# Altium PCB guitar(350 壳).PcbDoc
Units mm, origin at the board's own origin, x right, y up, seen from the top; angles counter-clockwise.
Board outline 316.26 x 68.36 mm, 2 copper layers (Top Layer, Bottom Layer); 50 components, 76 nets, 189 pads, 43 vias.
Unrouted connection lines stored in the file: 31.
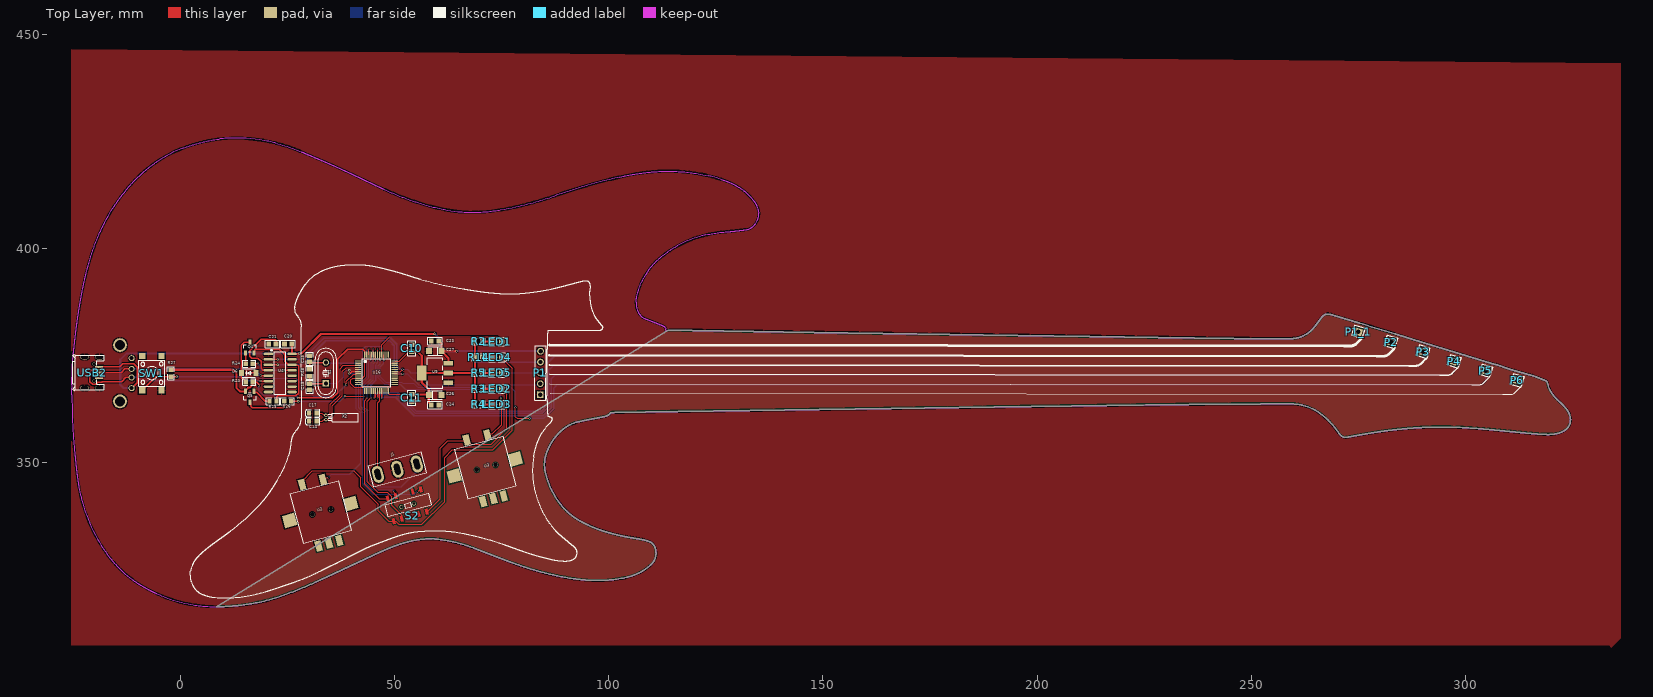
[diagram p0: Top Layer view]
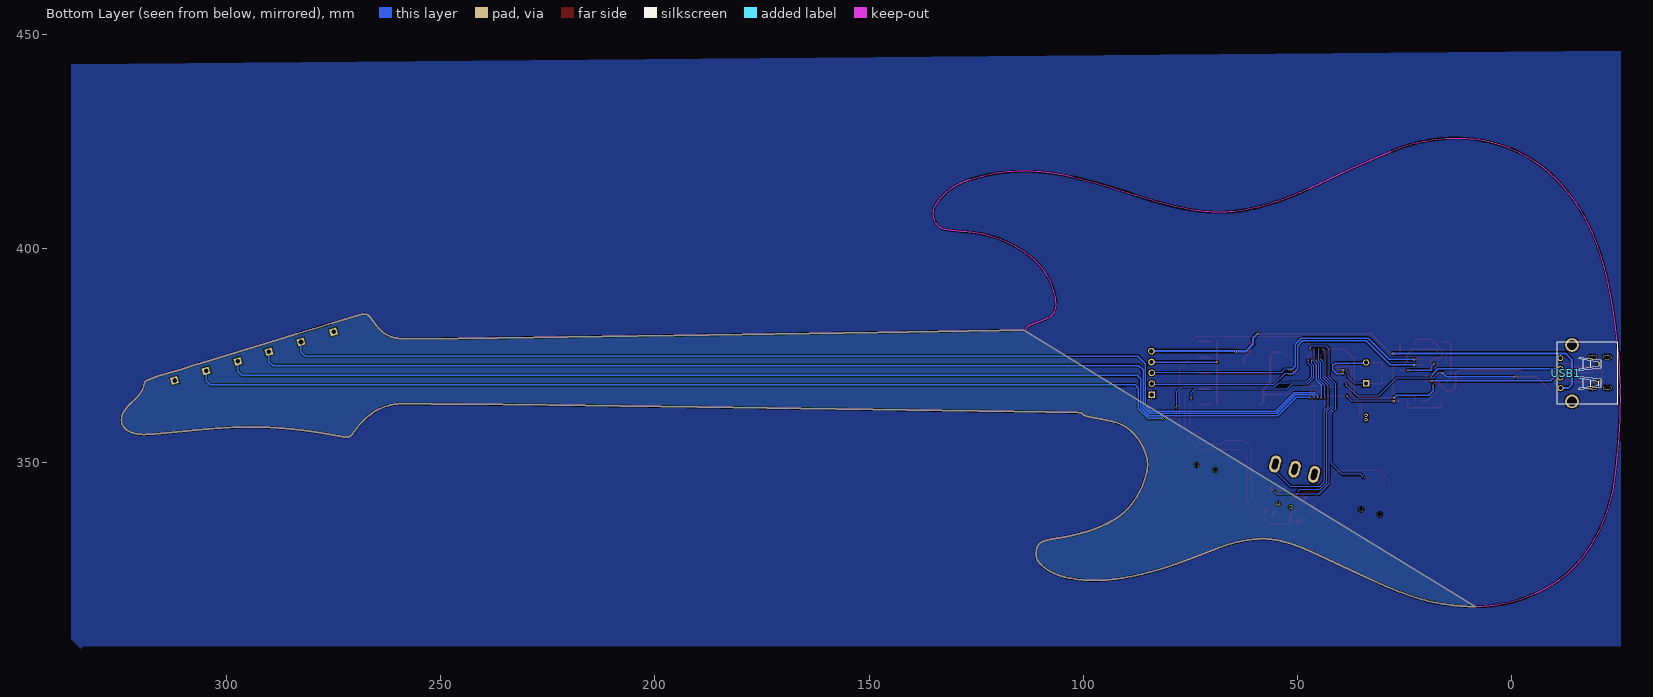
[diagram p1: Bottom Layer view, seen from below]

## Layer stack, top to bottom
Top Solder: solder mask 0.0102, Solder Resist, Dk 3.5
Top Layer: signal copper 0.0356
Dielectric 1: dielectric 0.32, FR-4, Dk 4.8
Bottom Layer: signal copper 0.0356
Bottom Solder: solder mask 0.0102, Solder Resist, Dk 3.5

## Board outline
20000 vertices, not listed, extent 8.343,316.374 324.6,384.732

## Design rules (kind name [scope] priority, off if disabled: settings)
Clearance [All] p1: gap=0.254 ignorepadtopadclearanceinfootprint=FALSE except(0: Arc-Hole Track-Hole SMDPad-Hole THPad-Hole Via-Hole Fill-Hole Poly-Hole Region-Hole Text-Hole)
PolygonConnect [All] p1: connectstyle=Relief reliefconductorwidth=0.254 reliefentries=4 polygonreliefangle="90 Angle" airgapwidth=0.254
RoutingVias [All] p1: holewidth=0.711 width=1.27 viastyle="Through Hole" minholewidth=0.711 minwidth=1.27 maxholewidth=0.711 maxwidth=1.27
SolderMaskExpansion [All] p1: expansion=0.102
Width [All] p1: maxlimit=0.5 minlimit=0.254 preferedwidth=0.3 minimp=50.000000 maximp=50.000000 favimp=50.000000
30 further rules are at their usual default settings.

## Components (designator, comment, footprint, x,y, rotation, side; value= is the part's Value field where it differs from the comment)
C10 "100nF" C0603#1 53.975,377.584 r270 top
C11 "100nF" C0603#1 53.975,364.319 r90 top
C14 "10pF" C0603#2 30.861,359.676 r0 top
C17 "10pF" C0603#2 30.861,361.569 r0 top
C18 "22pF" 0603 30.099,367.727 r90 top
C20 "100nF" C0603#1 25.956,377.698 r180 top
C21 "10nF" C0603#1 22.273,377.698 r180 top
C23 "100nF" C0603#1 58.547,378.46 r0 top
C24 "100nF" C0603#1 60.247,363.474 r180 top
C25 "22pF" 0603 30.099,374.269 r270 top
C26 "10uF" CAP-SMD_L3.2-W1.6-R-RD 59.436,365.856 r180 top
C27 "10uF" CAP-SMD_L3.2-W1.6-R-RD 59.436,376.047 r0 top
D6 "1N4148W T4" SOD-123_L2.8-W1.8-LS3.7-RD 15.875,370.994 r0 top
J1 "MTS-102/3" MTS-102/MTS-103/MTS-123 50.594,348.488 r15 top
LED1 "17-21/GHC-XS1T2M/3T" LED0805-R-RD 73.885,378.305 r180 top
LED2 "17-21/GHC-XS1T2M/3T" LED0805-R-RD 73.885,367.256 r180 top
LED3 "17-21/GHC-XS1T2M/3T" LED0805-R-RD 73.885,363.601 r180 top
LED4 "17-21/GHC-XS1T2M/3T" LED0805-R-RD 73.885,374.607 r180 top
LED5 "17-21/GHC-XS1T2M/3T" LED0805-R-RD 73.885,370.981 r180 top
P1 "2.54mm 1*5P Header" HDR-TH_5P-P2.54-V 84.006,370.981 r89.5 top
P1_1 "Header-Male-2.54_1x1" HDR-TH_1P-P2.54-V-M 275.049,380.573 r343 top (schematic designator P1)
P2 "Header-Male-2.54_1x1" HDR-TH_1P-P2.54-V-M 282.689,378.182 r343 top
P3 "Header-Male-2.54_1x1" HDR-TH_1P-P2.54-V-M 290.178,375.915 r343 top
P4 "Header-Male-2.54_1x1" HDR-TH_1P-P2.54-V-M 297.443,373.682 r343 top
P5 "Header-Male-2.54_1x1" HDR-TH_1P-P2.54-V-M 304.819,371.452 r343 top
P6 "Header-Male-2.54_1x1" HDR-TH_1P-P2.54-V-M 312.168,369.214 r343 top
Q4 "S8050" SOT-23-3_L2.9-W1.6-P1.90-LS2.8-BR 16.129,376.863 r270 top
Q5 "S8550" SOT-23-3_L2.9-W1.3-P1.90-LS2.4-BR 16.129,365.407 r90 top
R2 "1K" R0603 69.553,378.318 r180 top
R3 "1K" R0603 69.553,367.284 r180 top
R4 "1K" R0603 69.553,363.624 r180 top
R5 "1K" R0603 69.553,370.971 r180 top
R14 "1K" R0603 69.553,374.6 r180 top
R23 "10K" R0603 16.002,368.848 r0 top
R24 "1K" R0603 16.003,373.142 r180 top
R25 "1K" R0603 21.561,364.363 r180 top
R26 "1K" R0603 24.97,364.363 r180 top
R27 "10K" R0603 -2.286,370.906 r270 top
R48 "1M" R0603 30.099,371.005 r90 top
S2 "八脚拨动开关" MSS23D19 54.118,337.566 r105 top (schematic designator S1)
SW1 "PTS645SH43SMTR92LFS" KEY-SMD_4P-L6.0-W6.0-P4.50-LS9.0 -6.731,370.931 r90 top
U2 "EC11SMT" EC11SMT 32.669,338.455 r15 top
U3 "EC11SMT" EC11SMT 71.096,348.852 r15 top
U4 "CH340C" SOP-16_150MIL 23.241,370.967 r0 top
U9 "AMS1117-3.3" SOT-223-3_L6.5-W3.4-P2.30-LS7.0-BR 59.409,370.963 r0 top
U16 "STM32F103C8T6" LQFP-48_L7.0-W7.0-P0.50-LS9.0-BL 45.72,371.003 r270 top
USB1 "KH-AF90DIP-112" USB-A-TH_USB-A-F-90 -13.039,370.883 r90 bottom
USB2 "U-F-M5DD-Y-1" MICRO-USB-SMD_U-F-M5DD-Y-1 -20.701,371.065 r180 top
X1 "8MHz" HC-49US_L11.5-W4.5-P4.88 33.902,370.967 r90 top
X2 "32.768KHz" OSC-TH_BD2.0-P0.70-D0.3 33.909,360.568 r180 top

## Footprints (in the part's own frame and the unit in brackets; to place one, negate y for a bottom-side part, rotate by r counter-clockwise, add the part's x,y. Pads: shape width x height; smd on the part's side, far side on the other; paste and mask are expansions set on the pad)
0603 [mm]
  rect 1x1.1 smd: 1(-0.7,0) 2(0.7,0)
  silkscreen extent -1.5,-0.8 1.5,0.8
C0603#1 [mm]
  rect 1.1x1.199 smd: 1(0,0) 2(1.699,0)
  silkscreen extent -0.85,-0.9 2.55,0.9
C0603#2 [mm]
  rect 1x1.1 smd: 1(-0.9,0) 2(0.9,0)
  silkscreen extent -1.65,-0.8 1.65,0.8
CAP-SMD_L3.2-W1.6-R-RD [mm]
  rect 1.4x1.4 smd: 1(1.5,0) 2(-1.5,0)
  silkscreen extent -1.7,-1 1.7,1
EC11SMT [mm]
  rect 3x3 smd: 0(-7.493,0) 0_1(7.366,0.127)
  rect 1.5x2.5 smd: 1(-2.5,7.366) 2(2.5,7.239) 3(-2.5,-7.493) 4(0,-7.493) 5(2.5,-7.493)
  round 1 hole 1 unplated: _1(-2,0) ""(2.5,0)
  silkscreen extent -5.85,-6 5.85,6
HC-49US_L11.5-W4.5-P4.88 [mm]
  rect 1.5x1.5 hole 0.9: 1(-2.438,0)
  round 1.5 hole 0.9: 2(2.438,0)
  silkscreen extent -5.74,-2.5 5.74,2.5
HDR-TH_1P-P2.54-V-M [mm]
  rect 1.7x1.7 hole 1.1: 1(0,0)
  silkscreen extent -1.27,-1.27 1.27,1.27
HDR-TH_5P-P2.54-V [mil]
  rect 62x62 hole 40.16: 1(-200,0)
  round 62 hole 40.16: 2(-100,0) 3(0,0) 4(100,0) 5(200,0)
  silkscreen extent -250,-50 250,50
KEY-SMD_4P-L6.0-W6.0-P4.50-LS9.0 [mm]
  rect 1.5x1.5 smd: 1(-4,2.25) 2(4,2.25) 3(-4,-2.25) 4(4,-2.25)
  silkscreen extent -3.05,-3.05 2.98,3.05
LED0805-R-RD [mm]
  rect 1.3x1.4 smd: 1(1.05,0) 2(-1.05,0)
  silkscreen extent -2.22,-1.04 1.99,1.01
LQFP-48_L7.0-W7.0-P0.50-LS9.0-BL [mm]
  oval 0.3x1.5 smd: 1(-2.75,-4.25) 2(-2.25,-4.25) 3(-1.75,-4.25) 4(-1.25,-4.25) 5(-0.75,-4.25) 6(-0.25,-4.25) 7(0.25,-4.25) 8(0.75,-4.25) 9(1.25,-4.25) 10(1.75,-4.25) 11(2.25,-4.25) 12(2.75,-4.25) 25(2.75,4.25) 26(2.25,4.25) 27(1.75,4.25) 28(1.25,4.25) 29(0.75,4.25) 30(0.25,4.25) 31(-0.25,4.25) 32(-0.75,4.25) 33(-1.25,4.25) 34(-1.75,4.25) 35(-2.25,4.25) 36(-2.75,4.25)
  oval 1.5x0.3 smd: 13(4.25,-2.75) 14(4.25,-2.25) 15(4.25,-1.75) 16(4.25,-1.25) 17(4.25,-0.75) 18(4.25,-0.25) 19(4.25,0.25) 20(4.25,0.75) 21(4.25,1.25) 22(4.25,1.75) 23(4.25,2.25) 24(4.25,2.75) 37(-4.25,2.75) 38(-4.25,2.25) 39(-4.25,1.75) 40(-4.25,1.25) 41(-4.25,0.75) 42(-4.25,0.25) 43(-4.25,-0.25) 44(-4.25,-0.75) 45(-4.25,-1.25) 46(-4.25,-1.75) 47(-4.25,-2.25) 48(-4.25,-2.75)
  silkscreen extent -3.33,-3.31 3.3,3.34
MICRO-USB-SMD_U-F-M5DD-Y-1 [mm]
  rect 1.8x0.43 smd: 1(-1.626,-1.3) 2(-1.626,-0.65) 3(-1.626,0) 4(-1.626,0.65) 5(-1.626,1.3)
  oval 1.999x1 hole 0.7 slot 1.7 at 0 deg: 6(-1.735,3.599) 8(-1.735,-3.599)
  oval 1.999x1 hole 0.7 slot 1.7 at 0 deg copper offset 0.001,0: 7(1.735,3.6)
  oval 1.999x1 hole 0.7 slot 1.7 at 0 deg copper offset -0.001,0: 9(1.735,-3.6)
  round 0.7 hole 0.7 unplated: _1(-0.415,-2) ""(-0.415,2)
  silkscreen extent -2.77,-4.28 4.55,4.22
MSS23D19 [mm]
  Top Layer region: -0.6,-3.8 -0.6,-3.2 0.8,-3.2 0.8,-3.8
  Top Layer region: 4.8,-3.8 4.8,-3.2 6.2,-3.2 6.2,-3.8
  Top Layer region: 4.7,4.2 4.7,4.8 6.1,4.8 6.1,4.2
  Top Layer region: 4.761,2.24 4.761,2.84 6.161,2.84 6.161,2.24
  Top Layer region: 4.8,-1.8 4.8,-1.2 6.2,-1.2 6.2,-1.8
  Top Layer region: -0.761,4.2 -0.761,4.8 0.639,4.8 0.639,4.2
  Top Layer region: -0.7,2.24 -0.7,2.84 0.7,2.84 0.7,2.24
  Top Layer region: -0.6,-1.8 -0.6,-1.2 0.8,-1.2 0.8,-1.8
  silkscreen extent 1.37,-4.93 4.2,5.61
MTS-102/MTS-103/MTS-123 [mm]
  oval 2.5x4 hole 1.3 slot 2.6 at 90 deg: 1(-4.7,0) 2(0,0) 3(4.7,0)
  silkscreen extent -6.48,-2.54 6.35,2.54
OSC-TH_BD2.0-P0.70-D0.3 [mm]
  round 0.8 hole 0.5: 1(0,0.5) 2(0,-0.5)
  silkscreen extent -7.6,-1 -0.54,1
R0603 [mm]
  rect 1x1.1 smd: 1(-0.8,0) 2(0.8,0)
  silkscreen extent -1.55,-0.8 1.55,0.81
SOD-123_L2.8-W1.8-LS3.7-RD [mm]
  rect 1.2x1.4 smd: 1(-1.7,0) 2(1.7,0)
  silkscreen extent -1.5,-1 1.5,1
SOP-16_150MIL [mm]
  oval 2.198x0.6 smd: 1(-2.769,4.445) 2(-2.769,3.175) 3(-2.769,1.905) 4(-2.769,0.635) 5(-2.769,-0.635) 6(-2.769,-1.905) 7(-2.769,-3.175) 8(-2.769,-4.445) 9(2.769,-4.445) 10(2.769,-3.175) 11(2.769,-1.905) 12(2.769,-0.635) 13(2.769,0.635) 14(2.769,1.905) 15(2.769,3.175) 16(2.769,4.445)
  silkscreen extent -2.2,-4.95 1.35,5.46
SOT-23-3_L2.9-W1.3-P1.90-LS2.4-BR [mm]
  rect 1.25x0.7 smd: 1(1.25,-0.95) 2(1.25,0.95) 3(-1.25,0)
  silkscreen extent -0.65,-1.46 0.9,1.46
SOT-23-3_L2.9-W1.6-P1.90-LS2.8-BR [mm]
  rect 1.25x0.7 smd: 1(1.25,-0.95) 2(1.25,0.95) 3(-1.25,0)
  silkscreen extent -0.65,-1.46 0.9,1.46
SOT-223-3_L6.5-W3.4-P2.30-LS7.0-BR [mm]
  rect 2.2x1.1 smd: 1(3.099,-2.3) 2(3.099,0) 3(3.099,2.3)
  rect 2.2x3.5 smd: 4(-3.099,0)
  silkscreen extent -1.8,-3.55 1.8,3.55
USB-A-TH_USB-A-F-90 [mm]
  round 3.2 hole 2.3: 0(6.59,-1.141) 0_1(-6.552,-1.141)
  round 1.4 hole 0.92: 1(-3.473,1.577) 2(-0.974,1.577) 3(1.027,1.577) 4(3.527,1.577)
  silkscreen extent -7.25,-11.7 7.26,2.37

## Via types
v1: diameter 0.5, hole 0.3, Top Layer to Bottom Layer, 24 vias
v2: diameter 0.3, hole 0.18, Top Layer to Bottom Layer, 17 vias
v3: diameter 0.9, hole 0.7, Top Layer to Bottom Layer, 2 vias

## Nets (pads, with @x,y where several pads share a name; then routed paths per layer and width w, separated by ;. In a path a pad name is that pad's centre, name@x,y a point inside that pad or via, vN(x,y) a via of type N, cw(c..) or ccw(c..) an arc to the next point about the centre after c; other vN are vias at no path point)
3.3V: C10.2 C11.2 C24.2 C26.1 P1.4 Q5.2 R2.2 R3.2 R4.2 R5.2 R14.2 R23.2 R27.1 U9.2 U9.4 U16.9 U16.24 U16.36 U16.48 | length 155.5
  Top Layer w0.254: U16.48 42.97,370.277 42.446,369.753 U16.9 40.135,369.753 39.762,369.38 39.762,368.414 40.534,367.642 42.508,367.642 42.75,367.884 48.321,367.884 48.47,367.735 U16.24 ; U16.24@48.514,366.268 48.764,366.018 C11.2 ; U16.36 51.046,373.753 53.086,375.793 53.883,375.793 C10.2
  Top Layer w0.3: R23.2@16.764,368.81 17.753,368.81 18.256,368.307 v1(18.256,368.046) ; v1@27.362,365.125 35.425,365.125 36.68,366.38 36.68,374.246 38.989,376.555 42.507,376.555 42.97,376.092 U16.48
  Top Layer w0.5: R27.1 12.205,371.706 13.071,370.84 13.071,367.418 13.832,366.657 Q5.2 15.179,366.932 15.785,367.538 16.129,367.538 16.764,368.173 R23.2@16.764,368.81 ; C11.2 54.056,365.937 57.855,365.937 C26.1 ; C10.2 55.407,375.885 56.31,374.982 U9.4 ; C24.2 58.548,363.524 57.936,364.136 C26.1 ; R4.2 R2.2 ; R5.2 68.749,370.967 62.512,370.967 U9.2 U9.4 ; U9.4 56.31,368.743 57.936,367.117 C26.1
  Bottom Layer w0.3: v1(18.256,368.046) 18.256,366.808 19.304,365.76 26.785,365.76 v1(27.458,365.087) ; v1@68.707,373.471 68.757,373.521 P1.4
  other v1: 68.742,373.506
5V: C20.1 C23.2 C27.1 P1.5 U4.16 U9.3 USB1.1 USB2.1 | length 140.6
  Top Layer w0.3: USB2.1 -14.263,372.366 -13.523,373.105 -10.922,373.105 -10.16,372.343 -10.16,368.711 USB1.1 ; U4.16@25.956,375.458 25.964,375.466 27.559,375.466 27.632,375.539 v1(27.686,375.539)
  Top Layer w0.5: U4.16@25.956,375.458 C20.1 ; v1(27.686,375.539) 28.234,375.539 32.766,380.071 59.269,380.071 v1(59.309,380.111) ; C23.2 60.246,378.41 60.936,377.721 C27.1 C27.1@60.943,376.04 ; U9.3 62.508,374.475 C27.1@60.943,376.04 ; v1(64.41,376.04) C27.1@60.943,376.04
  Bottom Layer w0.5: USB1.1 -13.294,367.409 -14.129,368.244 -14.129,374.042 -12.632,375.539 v1(27.686,375.539) ; v1(59.309,380.111) 60.325,379.095 60.325,377.67 61.955,376.04 v1(64.41,376.04) 64.431,376.061 P1.5
5V_32: 
BOOT0: J1.3 R26.1 U16.44 | length 66.2
  Top Layer w0.254: v1(38.354,365.577) 42.685,365.577 42.787,365.475 v2(42.799,365.475) ; U16.44 v2(44.97,376.555)
  Top Layer w0.3: R26.1 27.408,364.363 v1@27.458,364.413
  Bottom Layer w0.254: v1(27.458,364.363) 37.153,364.363 38.354,365.564 v1(38.354,365.577) v1@38.354,365.59 ; v2(44.97,376.555) 44.97,373.838 44.478,373.346 44.478,369.642 42.799,367.963 v2(42.799,365.475) 42.799,363.006 43.688,362.117 43.688,345.595 44.859,344.424 51.528,344.424 55.134,348.029 J1.3
BOOT1: J1.1 U16.20 | length 19.9
  Top Layer w0.254: J1.1 46.054,364.062 46.482,364.49 U16.20@46.482,367.03
C21_1: C21.1 U4.4 | length 16.2
  Top Layer w0.3: U4.4 19.177,371.602 18.762,372.017 18.762,373.668 18.034,374.396 16.637,374.396 16.129,374.904 16.129,376.208 16.325,376.404 16.325,376.406 16.562,376.642 16.564,376.642 18.762,378.841 21.971,378.841 22.273,378.539 C21.1
D+: U4.5 USB1.3 USB2.3 | length 40.6
  Top Layer w0.3: USB2.3 -13.91,371.065 -13.065,371.91 USB1.3 ; v1(18.718,370.36) 18.732,370.346 20.458,370.346 U4.5
  Bottom Layer w0.3: USB1.3 17.139,371.91 18.69,370.36 v1(18.718,370.36)
D-: U4.6 USB1.2 USB2.2 | length 47.6
  Top Layer w0.3: USB2.2 -20.682,371.716 -20.955,371.443 -20.955,371.431 -21.209,371.177 -21.209,368.922 -20.598,368.311 -19.899,368.311 -19.406,368.804 -18.415,368.804 -18.291,368.928 -13.768,368.928 -12.788,369.909 USB1.2 ; v1(18.682,369.098) 18.7,369.08 20.454,369.08 U4.6
  Bottom Layer w0.3: USB1.2 -10.032,369.909 -9.222,369.098 v1(18.682,369.098)
EX_IN: C17.2 U16.3 X2.2 | length 19.5
  Top Layer w0.254: C17.2 32.985,361.569 33.399,361.155 33.822,361.155 X2.2 34.013,361.172 34.528,361.172 34.925,361.569 34.925,363.601 37.211,365.887 37.211,371.991 37.973,372.753 U16.3
EX_OUT: C14.2 U16.4 X2.1 | length 19.5
  Top Layer w0.254: C14.2 33.008,359.676 33.356,360.024 X2.1@33.97,360.024 ; X2.1 34.005,360.164 34.409,360.164 35.433,361.188 35.433,363.347 37.719,365.633 37.719,371.31 38.646,372.237 U16.4@41.47,372.237
GND: C10.1 C11.1 C14.1 C17.1 C18.1 C20.2 C21.2 C23.1 C24.1 C25.1 C26.2 C27.2 J1.2 LED5.2 P1.1 P1_1.1 P6.1 SW1.3 U4.1 U9.1 U16.8 U16.23 U16.35 U16.47 USB1.0 USB1.0_1 USB1.4 USB2.5 USB2.6 USB2.7 USB2.8 USB2.9
K1: LED4.2 U2.1 | length 91.4
  Top Layer w0.254: U2.1 28.348,345.721 30.734,348.107 40.44,348.107 42.011,346.536 42.011,344.441 46.122,340.33 46.122,338.805 48.617,336.31 50.188,336.31 50.909,335.589 56.339,335.589 61.64,340.89 61.64,351.166 63.476,353.001 72.905,353.001 77.47,357.566 77.47,372.023 74.935,374.558 LED4.2
K2: LED2.2 U3.1 | length 44.2
  Top Layer w0.254: 57.614,338.491 60.675,341.552 60.675,353.392 62.377,355.094 66.589,355.094 66.775,355.28 67.696,354.359 67.736,354.359 67.772,354.322 72.499,354.322 76.2,358.024 76.2,365.942 74.935,367.206 LED2.2
LED1_1: LED1.1 R2.1 | length 2.5
  Top Layer w0.5: R2.1 70.359,378.311 72.828,378.311 LED1.1
LED2_1: LED2.1 R3.1 | length 2.5
  Top Layer w0.5: R3.1 70.367,367.27 72.821,367.27 LED2.1
LED3_1: LED3.1 R4.1 | length 2.5
  Top Layer w0.5: R4.1 70.364,363.613 72.823,363.613 LED3.1
LED4_1: LED4.1 R14.1 | length 2.5
  Top Layer w0.5: R14.1 70.356,374.604 72.831,374.604 LED4.1
LED5_1: LED5.1 R5.1 | length 2.5
  Top Layer w0.5: R5.1 70.358,370.976 72.83,370.976 LED5.1
OSC_IN: C18.2 R48.1 U16.5 X1.1 | length 15.1
  Top Layer w0.254: v1(39.37,371.602) 39.417,371.649 39.521,371.753 U16.5
  Top Layer w0.3: R48.1 C18.2 33.8,368.427 X1.1
  Bottom Layer w0.254: X1.1 36.551,368.529 38.1,370.078 38.1,371.056 38.646,371.602 v1(39.37,371.602)
OSC_OUT: C25.2 R48.2 U16.6 X1.2 | length 19.6
  Top Layer w0.3: R48.2 C25.2 30.263,373.405 X1.2 ; v1@39.37,370.84 39.571,370.84 39.762,371.031 39.984,371.253 U16.6
  Bottom Layer w0.3: X1.2 34.054,373.253 41.148,373.253 41.656,372.745 41.656,371.691 40.767,370.802 v1(39.37,370.802)
PA0: U16.10
PA1: U16.11
PA2: U16.12
PA3: U16.13
PA4: U16.14
PA5: U16.15
PA6: U16.16
PA7: U16.17
PA8: U16.29
PA11: U16.32
PA12: U16.33
PA15: U16.38
PB0: P2.1 U16.18 | length 255.6
  Top Layer w0.3: v2(45.165,365.125) 45.47,365.43 U16.18
  Bottom Layer w0.3: v2(45.165,365.125) 45.165,365.59 45.97,366.395 50.673,366.395 54.991,362.077 84.2,362.077 85.416,363.293 ; 85.434,363.347 85.434,373.152 87.2,374.918 281.724,374.918 282.689,375.884 P2.1
PB1: P3.1 U16.19 | length 260.5
  Top Layer w0.3: v2(45.97,365.125) U16.19
  Bottom Layer w0.3: v2(45.97,365.125) 45.979,365.134 45.979,365.511 46.332,365.864 50.453,365.864 54.748,361.569 84.473,361.569 85.988,363.084 85.988,371.668 86.973,372.652 289.213,372.652 290.178,373.618 P3.1
PB2: 
PB3: P5.1 U16.39 | length 279.9
  Top Layer w0.254: v2(47.47,373.951) U16.39 ; v1(78.178,362.855) 78.178,360.775 78.606,360.347 81.426,360.347 v1(81.438,360.334)
  Bottom Layer w0.254: v2(47.47,373.951) 47.47,373.246 46.626,372.402 46.626,370.055 47.873,368.808 51.537,368.808 51.816,368.529 54.465,368.529 55.329,367.665 77.089,367.665 78.178,366.576 v1(78.178,362.855)
  Bottom Layer w0.3: v1(81.438,360.334) 84.832,360.334 87.096,362.598 87.096,367.411 87.858,368.173 89.91,368.173 89.926,368.188 303.854,368.188 304.819,369.154 P5.1
PB4: LED1.2 U2.2 U16.40 | length 74.9
  Top Layer w0.254: U2.2 33.652,346.536 v2(34.48,346.536) ; U16.40 v2(46.97,376.555) 46.97,377.584 48.826,379.44 73.8,379.44 LED1.2
  Bottom Layer w0.254: v2(34.48,346.536) 35.216,347.272 39.488,347.272 42.037,349.821 42.037,361.613 41.021,362.629 41.021,368.383 42.545,369.907 42.545,376.555 43.18,377.19 46.736,377.19 46.961,376.965 46.961,376.564 v2(46.97,376.555)
PB5: LED3.2 U3.2 U16.41 | length 47.6
  Top Layer w0.254: U16.41 46.47,374.065 46.571,373.964 v2(46.571,373.951) ; U3.2 71.891,356.745 72.821,356.745 74.935,358.86 LED3.2 74.803,363.734 v1(74.803,364.998)
  Bottom Layer w0.254: v2(46.571,373.951) 46.571,373.066 46.101,372.596 46.101,369.862 47.663,368.3 51.326,368.3 52.469,367.157 74.041,367.157 74.803,366.395 v1(74.803,364.998)
PB6: U16.42 | length 46.5
  Top Layer w0.254: v2(44.366,365.125) 43.539,364.298 43.539,345.537 45.968,343.108 48.255,343.108 48.611,342.752 48.64,342.752 49.316,342.076 49.316,341.614 49.32,341.61 49.32,340.008 51.584,337.743 51.584,337.096 ; U16.42 v2(45.97,376.555)
  Bottom Layer w0.254: 45.5,372.931 46.04,373.471 46.04,376.473 45.97,376.543 v2(45.97,376.555)
  Bottom Layer w0.3: v2(44.366,365.125) 44.366,368.06 45.517,369.211 45.517,372.915
PB7: U16.43 | length 38.3
  Top Layer w0.254: v2(43.561,365.125) 42.936,364.5 42.936,344.929 46.326,341.54 48.329,341.54 48.403,341.614 ; U16.43 45.47,374.003 45.509,373.964 v2(45.509,373.951)
  Bottom Layer w0.254: v2(43.561,365.125) 43.561,368.006 44.986,369.431 44.986,373.136 45.5,373.65 45.5,373.942 v2(45.509,373.951)
PB8: U16.45 | length 40.3
  Top Layer w0.254: v2(44.401,374.02) 44.401,374.033 44.47,374.101 U16.45 ; v2(49.902,343.281) 49.902,342.939 50.239,342.602 50.239,342.183
  Bottom Layer w0.254: v2(44.401,374.02) 43.97,373.589 43.97,369.852 42.037,367.919 42.037,363.049 43.053,362.033 43.053,345.29 44.681,343.662 49.574,343.662 49.902,343.333 v2(49.902,343.281)
PB9: U16.46 | length 49.2
  Top Layer w0.254: U16.46 v2(43.97,376.555) ; v2(55.325,343.24) 55.792,343.707 56.083,343.707
  Bottom Layer w0.254: v2(43.97,376.555) 43.434,376.019 43.434,370.078 41.529,368.173 41.529,362.839 42.545,361.823 42.545,345.038 44.937,342.646 54.666,342.646 v2@55.301,343.281
PB10: P4.1 U16.21 | length 264.5
  Top Layer w0.3: v2(46.97,365.125) U16.21
  Bottom Layer w0.3: v2(46.97,365.125) 47.155,365.31 50.224,365.31 54.519,361.015 84.702,361.015 86.542,362.855 86.542,369.57 87.391,370.419 87.915,370.419 87.93,370.404 100.801,370.404 100.816,370.419 296.478,370.419 297.443,371.384 P4.1
PB11: U16.22
PB12: U16.25
PB13: U16.26
PB14: U16.27
PB15: U16.28
PC13: U16.2
Q4_1: Q4.1 R24.2 | length 2.5
  Top Layer w0.3: Q4.1 15.179,373.166 R24.2
Q4_2: Q4.2 R25.1 U4.14 | length 26.6
  Top Layer w0.3: Q4.2 17.279,375.813 17.279,376.379 17.455,376.555 22.987,376.555 24.257,375.285 24.257,373.753 25.138,372.872 U4.14 26.067,372.815 27.362,372.815 27.559,372.618 27.559,366.314 27.513,366.268 27.513,366.23 26.915,365.633 22.655,365.633 22.479,365.457 22.479,364.481 R25.1
Q4_3: D6.1 Q4.3 R23.1 | length 11.3
  Top Layer w0.3: R23.1 15.202,368.898 14.437,369.663 14.387,369.663 14.175,369.875 D6.1 14.175,377.395 14.893,378.113 Q4.3
Q5_1: Q5.1 R25.2 | length 4.6
  Top Layer w0.3: Q5.1 17.233,366.503 17.703,366.503 19.793,364.413 20.71,364.413 R25.2
Q5_3: Q5.3 R26.2 | length 10.4
  Top Layer w0.3: Q5.3 16.329,363.957 16.329,363.274 16.638,362.965 16.764,362.839 23.994,362.839 24.17,363.015 R26.2
R24_1: R24.1 U4.13 | length 10.3
  Top Layer w0.3: R24.1 v1(18.034,373.142) ; v1(24.13,371.602) U4.13
  Bottom Layer w0.3: v1(18.034,373.142) 18.034,373.12 18.542,372.612 18.542,371.778 18.718,371.602 v1(24.13,371.602)
RESET: D6.2 R27.2 SW1.1 U16.7 | length 58
  Top Layer w0.254: v1(38.646,368.253) 38.646,368.982 40.384,370.72 U16.7@41.021,370.72
  Top Layer w0.3: SW1.1 -5.805,370.106 R27.2 v1(-0.914,370.106) ; v1(16.129,370.994) D6.2
  Bottom Layer w0.254: v1(16.129,370.994) 16.991,370.994 18.256,369.729 26.892,369.729 31.115,365.506 35.899,365.506 v1(38.646,368.253)
  Bottom Layer w0.3: v1(-0.914,370.106) 15.242,370.106 v1(16.129,370.994)
RXD: P1.3 U4.2 U16.31 | length 74.1
  Top Layer w0.254: U16.31 51.264,371.253 v1(51.816,371.805)
  Top Layer w0.3: U4.2 v1(22.655,374.142)
  Bottom Layer w0.254: v1(51.816,371.805) 52.959,371.805 53.783,370.981 P1.3
  Bottom Layer w0.3: v1(22.655,374.142) 28.448,374.142 33.401,379.095 49.028,379.095 50.453,377.67 50.453,372.497 51.145,371.805 v1(51.816,371.805)
SW1_2: SW1.2
SW1_4: SW1.4
SWCLK: U16.37
SWDIO: U16.34
TXD: P1.2 U4.3 U16.30 | length 75.2
  Top Layer w0.254: U16.30@49.97,370.745 51.808,370.745 v1(51.816,370.753)
  Top Layer w0.3: U4.3 v1(22.655,372.872)
  Bottom Layer w0.254: v1(51.816,370.753) 52.959,370.753 55.539,368.173 83.716,368.173 P1.2
  Bottom Layer w0.3: v1(22.655,372.872) 28.321,372.872 33.909,378.46 48.768,378.46 49.899,377.329 49.899,371.902 51.048,370.753 v1(51.816,370.753)
U2_3: U2.3
U2_4: U2.4
U2_5: U2.5
U3_3: U3.3
U3_4: U3.4
U3_5: U3.5
U4_7: U4.7
U4_8: U4.8
U4_9: U4.9
U4_10: U4.10
U4_11: U4.11
U4_12: U4.12
U4_15: U4.15
U16_1: U16.1
pads on no net: U2. U2.0 U2.0_1 U2._1 U3. U3.0 U3.0_1 U3._1 USB2. USB2.4 USB2._1
copper on no net:
  other v3: 51.52,339.628 54.45,340.421

## Polygon pours and split planes (outlines as drawn)
GND on Top Layer "Top Layer-No Net" (solid, pour order 2): -25.527,446.532 -25.527,307.34 333.629,307.34 334.137,306.832 336.296,308.991 336.296,443.357
GND on Bottom Layer "Top Layer-GND" (solid, pour order 0): -25.527,446.278 -25.527,307.086 333.629,307.086 334.137,306.578 336.296,308.737 336.296,443.103

## Keep-outs
Keep-Out Layer:
  drawing of 24289 lines, arcs and shapes, not listed

## Silkscreen, mask and mechanical layers (free items; w line width, h text height)
Top Overlay:
  drawing of 13265 lines, arcs and shapes, not listed